# KiCad board input-output.Multi.kicad_pcb (continued)
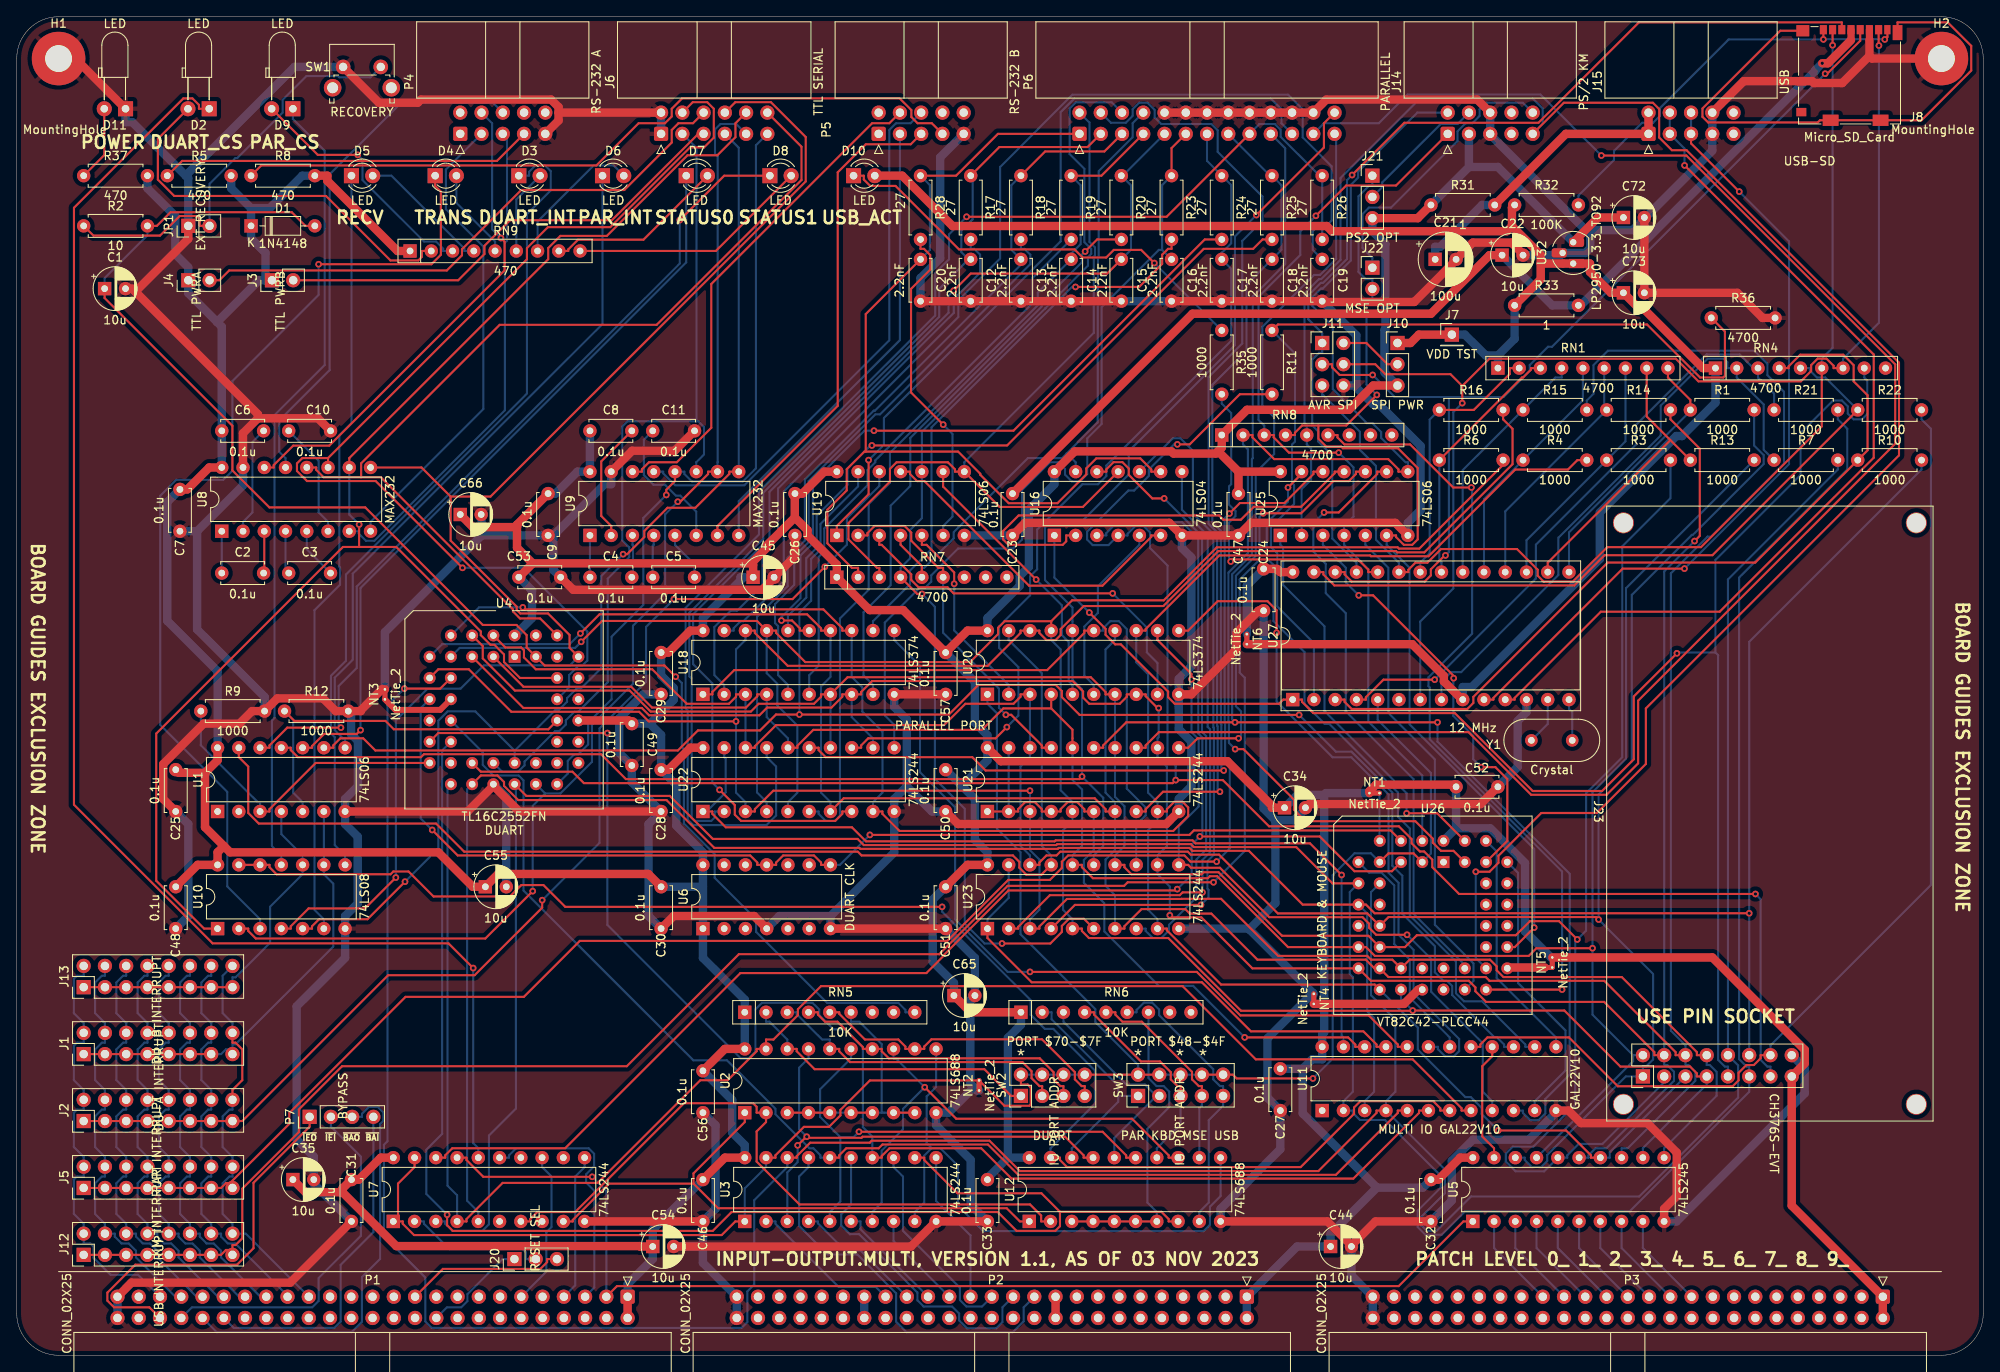
[diagram p0: board, top side]
## Routing (per net, layer and track width the routed paths; a pad name or vN(x,y) marks a point on that pad's centre or on a via; arc(x,y) is an arc through that point) (continued)
/parallel/PD6: length 133.7
  Top w0.25: U22.15 95.83,72.62 95.83,72.34 96.67,71.49 114.19,71.49 115.78,69.9 v1(144.23,69.9)
  Bottom w0.25: v1(144.23,69.9) 143.95,70.17 143.95,75.38 143.89,75.44 143.89,98.56 142.87,99.58 142.87,116.01 146.95,120.09 146.95,127.95 C18.1 151.13,132.13 151.13,139.87 R25.1 149.78,141 P6.15
/parallel/PD7: length 167
  Top w0.25: P6.17 137.41,136.09 v1(113.51,136.09)
  Bottom w0.25: C19.1 154.87,132.13 154.87,134.38 156,135.5 R26.1 155.69,141 151.04,145.66 151.04,146.49 150.35,147.18 148.5,147.18 P6.17 ; v1(113.51,136.09) 111.41,133.99 111.41,131.01 109.75,129.35 109.75,124.29 88.69,103.22 88.69,98.11 79.93,89.35 79.93,77.34 80.18,77.08 80.18,64.04 80.85,63.37 89.59,63.37 90.75,64.52 90.75,70.37 89.62,71.49 U22.17
/parallel/SELECT: length 86.9
  Top w0.25: U21.11 139.99,72.62 141.11,73.75 v1(146.01,73.75)
  Bottom w0.25: v1(146.01,73.75) 146.31,74.04 146.31,76.96 145.69,77.58 145.69,93.18 148.06,95.55 148.06,105.52 150.26,107.72 150.26,112.12 148.84,113.54 148.84,122.93 155.05,129.14 155.75,129.14 157.67,131.06 157.67,145.81 P6.25
/parallel/STATUS0: length 207.6
  Top w0.25: v1(127.3,69.17) 127,68.87 72.79,68.87 69.82,71.84 48.65,71.84 48.3,71.49 33.59,71.49 32.75,72.34 32.75,72.62 U1.11 ; v1(148.14,136.29) 156.21,144.37 156.21,147.27 P6.26
  Bottom w0.25: U23.15 128.7,59.75 129.84,60.88 129.84,66.64 v1(127.3,69.17) 127.3,79.62 126.16,80.76 U20.16 126.16,89.38 122.87,92.67 122.87,98.99 123.15,99.27 126.87,99.27 132.89,105.3 132.89,108.07 145.58,120.76 145.58,133.73 v1(148.14,136.29)
/parallel/STATUS1: length 138.3
  Top w0.25: U23.17 122.45,57.45 120.65,57.45 119.81,58.28 119.81,58.98 119.04,59.75 100.96,59.75 100.51,60.2 53.47,60.2 50.11,63.56 28.93,63.56 27.67,64.82 27.67,70.37 26.54,71.49 U1.13
  Bottom w0.25: U23.17 123.62,59.75 122.49,60.87 122.49,81.54 118.54,85.49 U20.19
/parallel/~{BUSY}: length 92.7
  Top w0.25: U19.1 98,99.13 101.8,102.92 v1(101.8,107)
  Bottom w0.25: P6.21 151.13,147.27 151.13,148.95 149.86,150.22 126.38,150.22 124.75,148.6 124.75,133.16 103.63,112.03 103.63,108.84 v1(101.8,107)
/parallel/~{INT_PAR}: length 142.5
  Top w0.25: v1(96.57,94.25) 92.71,90.39 v1(78.53,90.39) ; J2.1 J2.3 J2.5 J2.7 J2.9 J2.11 J2.13 J2.15 26.96,28 44.39,45.43 54.72,45.43 62.79,53.5 v1(62.79,54.4)
  Bottom w0.25: v1(78.53,90.39) 75.2,87.06 75.2,80.5 69.64,74.93 69.64,61.25 v1(62.79,54.4) ; v1(96.57,94.25) 99.21,96.89 99.21,100.06 103.08,103.93 U19.12
/parallel/~{LINEFEED}: length 98.6
  Top w0.25: U16.11 127.4,101.4 117.46,101.4 U19.8 112.11,105.62 112.11,105.9 111.27,106.75 105.14,106.75 104.35,105.95 104.35,104.43 99.39,99.48 99.39,97.53 102.8,94.13 103.08,94.13 RN7.3
  Bottom w0.25: U19.8 113.24,106.75 128.71,122.22 128.71,131.32 128.85,131.46 128.85,132.43 128.19,133.09 128.19,147.35 P6.2
/parallel/~{PDENBL}: length 84.7
  Top w0.25: U18.1 83.13,79 83.13,79.28 85.75,81.9 123.14,81.9 127.57,86.34 127.57,86.62 U20.15
  Bottom w0.25: U20.15 129.83,86.62 129.83,86.9 130.67,87.75 131.71,87.75 132.65,86.8 132.65,67.72 134.91,65.47 134.91,64.53 133.78,63.41 U23.13
/parallel/~{SEL}: length 77.7
  Top w0.25: U19.4 105.62,96.87 108.16,94.33 RN7.5
  Bottom w0.25: RN7.5 108.16,94.13 108.44,94.13 111.97,97.65 111.97,98.39 120.83,107.25 124.91,107.25 125.48,107.81 ; 125.48,107.81 129.18,111.51 129.18,127.19 129.21,127.21 129.21,131.18 129.3,131.27 129.3,141.55 133.35,145.6 133.35,147.27 P6.8 ; 125.48,107.81 126.54,106.75 U16.13
/parallel/~{STROBE}: length 118
  Top w0.25: P6.1 117.25,146 112.25,141 R28.1 ; 101.45,108.02 101.45,124.45 C20.1 ; 101.45,108.02 112.5,108.02 115.14,105.37 115.14,105.25 118.54,101.85 124.37,101.85 127.81,105.3 127.81,106.01 129.01,107.21 134.27,107.21 135.57,105.9 135.57,105.62 U16.9 ; 101.45,108.02 101.29,108.02 99.18,105.91 99.18,103.38 96.87,101.07 96.87,97.05 99.8,94.13 100.54,94.13 RN7.2
  Bottom w0.25: R28.1 109.13,139.87 109.13,132.13 C20.1
/USB-SD/RST: length 113.5
  Top w0.25: R36.1 204.13,122.37 204.13,117.07 203.93,116.87 201.16,116.87 194.82,123.21 150.71,123.21 R11.1
  Bottom w0.25: R11.1 152.75,119.75 152.75,109.21 152.4,108.86 152.4,104.27 152.64,104.03 152.64,101.76 149.87,98.99 149.87,96.62 150.63,95.87 150.63,89.51 155.01,85.12 U27.2
/USB-SD/SDCK: length 120.1
  Top w0.25: v1(162.03,117.18) 158.09,117.18 157.18,118.09 157.18,118.46 J11.3 ; J8.5 220.29,157.13 216.36,153.19 v1(216.11,153.19) ; U27.26 158.68,93.62 158.68,93.33 159.52,92.49 168.26,92.49 168.99,93.22 168.99,93.94 170.65,95.61 v1(170.73,95.61)
  Bottom w0.25: 171.14,114.54 164.67,114.54 v1(162.03,117.18) ; 171.14,114.54 177.67,114.54 180.81,117.68 180.81,118.37 182.99,120.55 183.47,120.55 v1(216.11,153.19) ; 171.14,114.54 171.14,96.01 v1(170.73,95.61)
/USB-SD/SDCS: length 135.7
  Top w0.25: RN4.6 215.7,111.03 201.27,96.6 190.07,96.6 185.95,92.48 182.46,92.48 181.76,93.18 181.76,93.9 179.28,96.37 170.21,96.37 168.58,94.74 167.14,94.74 166.3,93.9 166.3,93.62 165.18,93.62 ; J8.2 v1(217,156.59)
  Bottom w0.25: J11.5 156,114.74 156.15,114.74 160.51,110.38 160.51,108.22 162.43,106.3 162.43,97.49 165.18,94.74 165.18,93.62 ; RN4.6 215.7,119.13 217,120.42 v1(217,156.59)
/USB-SD/SDDI: length 120.3
  Top w0.25: v1(159.57,141.08) 165.82,147.32 181.85,147.32 193.85,159.33 218.09,159.33 J8.3
  Bottom w0.25: v1(159.57,141.08) 158.97,140.48 158.97,131.05 156.11,128.19 155.85,128.19 154.34,126.68 154.34,123.84 156,122.18 J11.1 156,119.82 155.63,119.82 154.81,119 154.81,111.15 155.52,110.44 155.52,109.24 157.21,107.55 157.21,97.63 160.09,94.74 U27.25
/USB-SD/SDDO: length 147.2
  Top w0.25: RN4.7 217.11,118 217.11,118.28 216.26,119.13 215.21,119.13 214.43,118.35 214.43,117.65 213.2,116.42 200.96,116.42 198.25,119.13 176,119.13 172.74,115.87 ; 172.74,115.87 171.33,117.27 163.53,117.27 162.35,118.46 J11.4 ; 172.74,115.87 v1(172.74,113.81) ; v1(222.53,156.55) 222.5,156.59 J8.7
  Bottom w0.25: U27.7 167.72,87.7 171.67,91.65 171.67,112.75 v1(172.74,113.81) ; v1(222.53,156.55) 222.53,123.42 218.24,119.13 RN4.7
/USB-SD/UD+: length 95.1
  Top w0.25: v1(199.29,94.03) 191.91,94.03 176.46,78.58 176.46,78.38 175.34,78.38 ; J15.5 200.08,144.86 v1(205.84,139.1)
  Bottom w0.25: J15.6 J15.5 ; v1(199.29,94.03) 211.79,106.53 211.79,133.15 v1(205.84,139.1)
/USB-SD/UD-: length 107.5
  Top w0.25: U27.11 179,78.38 179,78.58 189.3,88.88 203.5,88.88 221.91,107.29 221.91,119.63 v1(199.3,142.23)
  Bottom w0.25: v1(199.3,142.23) 199.3,144.24 J15.3 J15.4
/USB-SD/~{INT-USB}: length 206.2
  Top w0.25: v1(128.17,88.78) 130.11,86.83 130.11,86.12 131.26,84.98 131.94,84.98 137.59,79.33 137.59,78.66 138.38,77.87 150.85,77.87 151.35,78.38 U27.1 153.6,78.38 153.6,78.09 154.93,76.76 171.85,76.76 181.16,67.45 189.45,67.45 193.24,71.24 193.24,78.76 v1(198.39,83.91)
  Bottom w0.25: J23.9 204.49,34.51 204.12,34.51 203.31,35.31 203.31,83.68 202.99,84.01 ; v1(128.17,88.78) 124,92.95 U16.1 ; 202.99,84.01 198.49,84.01 v1(198.39,83.91) ; 202.99,84.01 202.99,95.07 213.17,105.25 213.17,110.25 217.05,114.13 218.11,114.13 218.81,113.43 218.81,112.57 219.5,111.87 220.52,111.87 221.14,112.49 221.14,116.52 220.78,116.87 RN4.8
A0: length 18.2
  Bottom w0.25: P2.35 102.64,8.18 98.21,8.18 90.67,15.72 90.67,16 U3.2
A1: length 15.6
  Bottom w0.25: U3.4 95.75,16 95.75,15.77 98.99,12.52 100.84,12.52 P2.33
A2: length 13.5
  Bottom w0.25: U3.6 100.83,16 100.83,15.07 P2.31
A3: length 11.8
  Bottom w0.25: P2.29 104.78,13.66 U3.8
A4: length 18.3
  Bottom w0.25: U3.11 109.86,18.44 113.98,14.32 P2.27
A5: length 24.9
  Bottom w0.25: U3.13 104.78,22.49 105.91,21.37 105.91,14.88 112.71,8.07 112.71,6.61 113.49,5.82 115.34,5.82 P2.25
A6: length 37.8
  Bottom w0.25: U3.15 99.7,18.02 98.52,16.85 98.52,15.51 99.56,14.47 100.66,14.47 107.63,7.5 107.63,6.57 108.37,5.82 111.78,5.82 112.62,4.99 112.62,4.16 113.55,3.23 117.06,3.23 117.79,3.96 117.79,5.73 P2.23
A7: length 46.7
  Bottom w0.25: U3.17 94.62,22.49 93.49,21.37 93.49,15.46 96.91,12.04 100.45,12.04 105.09,7.41 105.09,4 106.34,2.75 119.02,2.75 120.33,4.06 120.33,5.73 P2.21
ACK: length 175.6
  Top w0.25: v1(169.78,75.66) v1(145.58,75.66) 132.58,75.66 129.83,72.9 129.83,72.62 U21.15
  Bottom w0.25: v1(169.78,75.66) 169.78,73.35 185.58,57.55 185.58,33.55 182.67,30.64 182.67,28.91 181.86,28.1 180.86,28.1 179.99,28.97 179.99,29.25 U11.10 ; P6.19 151.58,144.28 151.58,130.44 147.7,126.56 147.7,107.23 147.6,107.13 147.6,95.73 145.24,93.37 145.24,76 145.58,75.66 v1(145.58,75.66)
bA0: length 396.6
  Top w0.25: U3.18 93.21,23.62 93.21,23.8 94.82,25.41 101.93,25.41 102.17,25.65 116.24,25.65 119.87,22.02 155.54,22.02 162.49,28.97 162.49,29.25 U11.4 ; U4.10 50.61,79.69 v1(46.32,79.69)
  Bottom w0.25: U3.18 92.08,22.49 88.13,18.54 88.13,8.45 87.31,7.63 87.31,3.96 86.62,3.27 49.6,3.27 48.82,4.05 48.82,9.3 43.87,14.24 43.87,25.15 44.31,25.58 44.31,77.67 v1(46.32,79.69) ; U26.10 161.84,55.37 161.84,43.04 164.75,40.13 164.75,31.5 163.62,30.38 U11.4 170.66,22.21 170.66,19.36 167.86,16.56 167.86,15.52 168.52,14.86 169.66,14.86 173.78,18.98 193.88,18.98 205.71,30.81 205.71,34.65 J23.10 204.49,92.74 217.62,105.87 R7.2
bA1: length 150.7
  Top w0.25: U3.16 98.29,23.62 98.29,23.9 99.13,24.75 103.01,24.75 103.46,25.2 116.06,25.2 119.68,21.57 157.63,21.57 165.03,28.97 165.03,29.25 U11.5
  Bottom w0.25: U3.16 96.03,23.62 96.03,23.9 95.19,24.75 94.73,24.75 90.67,28.81 90.67,29.47 84.87,35.26 80.85,35.26 60.56,55.55 60.56,68.71 59.97,69.3 56.96,69.3 55.69,70.58 55.69,72.07 U4.14
bA2: length 175.8
  Top w0.25: v1(70.58,74.38) 50.38,74.38 U4.15 ; U11.6 167.57,29.25 167.57,28.97 159.72,21.12 118.88,21.12 115.25,24.75 104.3,24.75 103.37,23.81 103.37,23.62 U3.14
  Bottom w0.25: v1(70.58,74.38) 70.58,51.44 86.53,35.49 87.47,35.49 88.27,36.29 88.27,41.34 89.05,42.13 95.1,42.13 95.89,41.33 95.89,40.67 97.59,38.97 98.95,38.97 101.11,36.81 101.11,27.28 102.24,26.15 U3.14
bA3: length 172.3
  Top w0.25: 124.67,17.15 122.45,19.36 112.42,19.36 108.45,23.34 108.45,23.62 U3.12 ; 124.67,17.15 124.67,15.43 124.11,14.87 119.47,14.87 117.22,17.13 85.43,17.13 83.17,14.87 52.11,14.87 51.43,15.54 v1(51.43,16.8) ; 124.67,17.15 136.79,17.15 137.65,16.28 137.65,16 U12.8
  Bottom w0.25: v1(51.43,16.8) 48.95,19.28 48.95,24.57 50.84,26.46 50.84,72.3 U4.16
bA4: length 71.2
  Bottom w0.25: 109.34,24.76 108.45,23.86 108.45,18.25 107.32,17.13 U3.9 ; 109.34,24.76 108.73,25.37 108.73,30.94 109.86,32.07 U2.11 ; 109.34,24.76 110.35,24.76 112.48,22.64 112.48,17.86 115.5,14.84 141.83,14.84 142.59,15.6 142.59,17.76 143.86,19.03 U12.11
bA5: length 58.8
  Top w0.25: v1(108.5,32.04) 112.27,28.27 133.28,28.27 137.65,23.9 137.65,23.62 U12.13
  Bottom w0.25: U3.7 102.24,17.13 103.37,18.25 103.37,24.47 105.91,27.01 105.91,29.44 v1(108.5,32.04) 105.05,35.49 104.78,35.49 U2.13
bA6: length 60.7
  Top w0.25: U12.15 132.57,23.62 132.57,23.9 129.76,26.72 v1(100.65,26.72)
  Bottom w0.25: U3.5 97.16,17.13 98.42,18.38 98.42,26.07 ; 98.42,26.07 96,28.49 96,31.79 99.7,35.49 U2.15 ; 98.42,26.07 100,26.07 v1(100.65,26.72)
bA7: length 58
  Top w0.25: U12.17 127.49,23.62 127.49,23.9 125.27,26.12 101.08,26.12 100.95,25.99 94.54,25.99 v1(94.41,26.13) 94.35,26.13 v1(93.32,25.09)
  Bottom w0.25: v1(93.32,25.09) 93.32,23.1 92.08,21.86 U3.3 ; U2.17 94.62,35.49 93.49,34.37 93.49,27.04 v1(94.41,26.13)
bD0: length 284.8
  Top w0.25: U20.3 119.95,79 119.95,78.72 119.11,77.87 113.36,77.87 110.81,75.32 90.73,75.32 88.21,72.8 88.21,72.62 U22.18 ; U4.2 58.39,84.61 60.28,84.61 60.61,84.28 60.61,83.42 62.03,82 75.94,82 80.06,77.87 85.11,77.87 85.95,78.72 85.95,79 U18.3 ; U23.18 122.21,58.62 122.21,58.9 123.05,59.75 124.25,59.75 124.7,60.2 139.95,60.2 140.3,59.84 143.67,59.84 150.7,52.82 161.39,52.82 U26.14 163.93,52.38 188.73,52.38 v1(189.03,52.09)
  Bottom w0.25: U20.3 U21.18 121.08,71.49 119.95,70.37 119.95,60.87 121.08,59.75 U23.18 ; U22.18 U18.3 ; U5.18 180.21,23.62 180.21,23.34 181.05,22.49 182.16,22.49 182.89,23.22 182.89,23.95 192.27,33.33 J23.1 194.33,34.51 194.7,34.51 195.54,35.35 195.54,45.57 v1(189.03,52.09) 189.03,67.03 193,71 193,90.89 200.18,98.07 200.3,98.07 208.76,106.53 208.76,107.6 207.62,108.74 R1.2
bD1: length 266.1
  Top w0.25: U18.4 88.49,79 88.49,78.77 87.15,77.42 75.91,77.42 73.43,79.91 60.55,79.91 U4.3 ; 123.62,77.32 U20.4 ; 123.62,77.32 117.9,77.32 115.33,74.76 95.19,74.76 93.29,72.85 93.29,72.62 U22.16 ; 123.62,77.32 126.16,74.78 U21.16 ; U23.16 127.29,58.62 127.29,58.34 128.6,57.03 142.34,57.03 142.57,57.26 143.44,57.26 151.92,48.79 U26.15 161.24,48.79 162.29,47.74 180.68,47.74 181.6,48.66 v1(188.3,48.66)
  Bottom w0.25: U21.16 126.16,68.77 127.31,67.62 127.31,60.89 126.16,59.75 U23.16 ; J23.2 193.15,35.87 ; 193.15,35.87 193.15,35.15 U5.17 ; 193.15,35.87 188.3,40.72 v1(188.3,48.66) 188.3,67.3 192.31,71.31 192.31,91.69 R13.2 ; U18.4 89.62,76.29 92.16,73.75 U22.16
bD2: length 292
  Top w0.25: U23.14 132.37,58.62 132.37,58.34 133.21,57.49 141.58,57.49 141.83,57.74 143.6,57.74 151.2,50.14 161.53,50.14 U26.16 165.89,48.79 167.31,50.21 179.14,50.21 180.82,51.89 184.3,51.89 v1(186.49,49.71) ; U4.4 55.69,84.77 55.69,83.29 59.53,79.46 73.24,79.46 75.75,76.95 87.73,76.95 88.66,77.87 95.27,77.87 96.11,78.72 96.11,79 U18.7 99.29,81.05 128.35,81.05 130.11,79.28 130.11,79 U20.7
  Bottom w0.25: U23.14 131.24,59.75 132.37,60.88 132.37,65.63 131.24,66.76 U21.14 U20.7 ; J23.3 196.87,32.64 189.5,25.27 186.65,25.27 185.29,23.9 185.29,23.62 U5.16 182.53,21.99 179.11,21.99 177.95,23.16 177.95,24.1 178.79,24.94 181.23,24.94 186.24,29.95 186.24,49.46 v1(186.49,49.71) 187.54,50.76 187.54,67.17 191.86,71.5 191.86,96.69 197.62,102.45 R3.2 ; U18.7 U22.14
bD3: length 289.7
  Top w0.25: v1(137.79,52.59) 138.04,52.34 141.57,52.34 147.66,46.25 U26.17 161.83,44.76 173.52,44.76 174.31,43.97 174.31,43.51 175.58,42.24 189.69,42.24 195.69,36.24 195.69,35.87 J23.4 ; U4.5 60.55,77.37 74.69,77.37 75.57,76.5 88.75,76.5 89.67,77.42 97.36,77.42 98.65,78.72 98.65,79 U18.8 100.91,79 100.91,79.28 102.22,80.59 126.18,80.59 127.43,79.34 127.43,78.61 128.16,77.87 131.81,77.87 132.65,78.72 132.65,79 U20.8 134.91,79 134.91,78.78 136.33,77.36 v1(136.46,77.36) ; R14.2 197.62,111.87 201.13,108.37 201.13,97.95 v1(200.5,97.32)
  Bottom w0.25: v1(136.46,77.36) 136.46,73.89 136.32,73.75 U21.12 136.32,71.49 137.45,70.37 137.45,60.87 136.32,59.75 U23.12 136.32,57.49 137.79,56.02 v1(137.79,52.59) ; U18.8 99.78,76.29 102.32,73.75 U22.12 ; U5.15 187.83,23.62 187.83,23.9 188.67,24.75 189.97,24.75 198.05,32.82 198.05,33.89 197.24,34.69 196.87,34.69 J23.4 196.87,93.69 v1(200.5,97.32)
bD4: length 300.5
  Top w0.25: U22.9 103.45,65 103.45,64.72 105.49,62.67 138.19,62.67 139.99,64.46 139.99,65.48 139.31,66.16 138.32,66.16 137.45,65.28 137.45,65 U21.9 ; v1(177.03,26.87) 185.15,26.87 188.11,23.9 188.11,23.62 U5.14 ; U18.13 98.65,86.62 98.65,86.9 96.4,89.16 60.71,89.16 v1(60.47,89.4) ; R4.2 186.49,107 185.37,105.87 179.07,105.87 168.71,95.51 161.83,95.51 161.74,95.61 143.71,95.61 134.91,86.81 134.91,86.62 U20.13 ; U23.9 137.45,51 137.45,50.79 143.92,44.31 162.28,44.31 U26.18
  Bottom w0.25: v1(177.03,26.87) 175.05,28.85 175.05,29.58 173.76,30.86 173.11,30.86 167.43,36.54 167.43,39.16 U26.18 ; J23.5 190.37,24.29 190.37,23.62 U5.14 ; U4.6 55.24,89.4 v1(60.47,89.4) ; U18.13 99.78,81.09 101.05,79.82 101.05,76.94 103.45,74.54 103.45,67.26 102.32,66.13 U22.9 ; U20.13 133.78,82.84 135.19,81.42 135.19,67.25 136.32,66.13 U21.9 136.32,63.87 135.19,62.75 135.19,53.25 136.32,52.13 U23.9
bD5: length 358.1
  Top w0.25: v1(67.36,86.28) 69.64,88.57 94.45,88.57 96.11,86.9 96.11,86.62 U18.14 ; J23.6 198.23,35.87 198.23,36.24 189.71,44.76 176,44.76 175.54,45.21 163.92,45.21 U26.19 162.24,46.25 161.21,47.29 148.26,47.29 142.76,52.79 140.18,52.79 139.64,53.33 134.42,53.33 132.37,51.28 132.37,51 U23.7 ; U21.7 130.11,65 130.11,65.28 128.82,66.58 98.82,66.58 U22.7
  Bottom w0.25: R15.2 187.62,114.13 188.43,114.94 188.43,118.36 190.15,120.08 207.64,120.08 209.21,118.51 209.21,117.16 211.19,115.18 211.19,106.56 202.48,97.85 202.05,97.85 197.67,93.46 197.67,38.79 199.41,37.05 J23.6 199.41,34.69 199.78,34.69 200.59,33.88 200.59,32.81 192.52,24.75 191.78,24.75 U5.13 ; U22.7 97.24,66.13 96.11,67.26 96.11,79.95 97.24,81.08 U18.14 ; U20.14 131.24,85.49 130.11,84.37 130.11,67.25 131.24,66.13 U21.7 131.24,60.38 130.11,59.26 130.11,56.11 131.24,54.98 U23.7 ; U4.7 50.84,85 66.08,85 v1(67.36,86.28)
bD6: length 302.5
  Top w0.25: v1(67.45,85.28) 69.94,87.77 88.47,87.77 U18.17 90.75,86.62 90.75,86.34 94.23,82.86 113.92,82.86 117.27,86.21 117.27,86.96 118.06,87.75 123.62,87.75 ; U20.17 123.62,87.75 ; 123.62,87.75 126.12,90.24 137.06,90.24 143.4,96.58 165.02,96.58 165.17,96.42 167.61,96.42 177.62,106.44 R6.2 ; U23.5 127.29,51 127.29,50.72 128.13,49.87 137.61,49.87 146.31,41.17 166.79,41.17 v1(166.82,41.21) 184.94,41.21 191.64,34.51 199.97,34.51 200.77,33.7 200.77,33.33 J23.7
  Bottom w0.25: U18.17 89.62,81.54 90.89,80.27 90.89,77.68 93.29,75.28 93.29,67.25 92.16,66.13 U22.5 ; U20.17 123.62,85.49 124.75,84.37 124.75,67.54 126.16,66.13 U21.5 126.16,63.87 125.03,62.75 125.03,53.25 126.16,52.13 U23.5 ; U26.20 165.42,42.6 v1(166.82,41.21) ; J23.7 201.95,32.15 201.73,32.15 194.32,24.75 U5.12 ; v1(67.45,85.28) 66.72,84.55 52.93,84.55 U4.8
bD7: length 334.3
  Top w0.25: v1(85.95,75.77) 75.52,75.77 74.37,76.92 59.1,76.92 54.02,82 50.38,82 U4.9 ; U23.3 122.21,51 122.21,51.25 125.5,54.55 139.17,54.55 139.18,54.56 143.92,54.56 150.75,47.74 161.39,47.74 161.84,47.29 164.38,47.29 U26.21 166.46,47.29 176.06,47.29 176.85,46.49 176.85,46.02 177.66,45.21 191.8,45.21 200.77,36.24 200.77,35.87 J23.8 ; v1(121.08,67.48) 90.41,67.48 88.21,65.28 88.21,65 U22.3 ; U18.18 88.21,86.62 88.21,86.34 92.14,82.41 116.02,82.41 119.95,86.34 119.95,86.62 U20.18 122.21,86.62 122.21,86.34 123.05,85.49 124.15,85.49 124.75,86.1 124.75,86.8 127.51,89.56 137.02,89.56 143.59,96.13 164.83,96.13 164.99,95.97 168.21,95.97 178.75,106.51 178.75,110.75 177.62,111.87 R16.2
  Bottom w0.25: J23.8 201.95,34.69 202.32,34.69 203.14,33.88 203.14,31.02 196.86,24.75 U5.11 ; U22.3 87.08,66.13 85.95,67.25 v1(85.95,75.77) 85.95,84.37 87.08,85.49 U18.18 ; U23.3 121.08,52.13 122.21,53.26 122.21,59.25 121.08,60.38 U21.3 121.08,66.13 v1(121.08,67.48)
bRESET: length 254
  Top w0.25: v1(138.7,108.89) 140.17,108.89 146.17,114.88 R11.2 ; U4.21 55.46,69.76 66.41,69.76 67.77,68.39 138.14,68.39 v1(138.5,68.75) 144.13,68.75 149.65,63.23 165.16,63.23 166.69,61.7 166.69,61.21 167.68,60.22 168.18,60.22 169.16,59.25 169.16,58.35 172.36,55.14 v1(207.77,55.14)
  Bottom w0.25: J23.13 209.57,34.51 209.2,34.51 208.39,35.31 208.39,54.52 v1(207.77,55.14) ; v1(138.5,68.75) 138.5,70.45 137.52,71.42 137.52,94.39 135.43,96.48 135.43,98.36 134.66,99.13 133.68,99.13 132.75,98.19 132.75,98 U16.4 130.47,96.85 128.57,96.85 127.91,97.52 127.91,98.43 132.84,103.36 133.53,103.36 135.29,105.12 135.29,105.87 138.3,108.89 v1(138.7,108.89)
CLK_DUART: length 137.8
  Top w0.25: U6.8 96.11,58.62 96.11,58.9 95.27,59.75 91.59,59.75 90.75,58.9 90.75,58.62 U6.11 88.49,58.62 88.49,58.9 87.65,59.75 52.7,59.75 v1(49.65,62.79) ; v1(101.95,62.2) 140.14,62.2 140.67,62.73 164.18,62.73 U26.4
  Bottom w0.25: U4.11 48.27,77.35 48.27,64.17 v1(49.65,62.79) ; v1(101.95,62.2) 98.37,58.62 U6.8
D0: length 11.4
  Bottom w0.25: U5.2 176.54,12.82 P3.33
D1: length 11.4
  Bottom w0.25: P3.31 179.08,12.82 U5.3
D2: length 11.4
  Bottom w0.25: U5.4 181.62,12.82 P3.29
D3: length 11.4
  Bottom w0.25: U5.5 184.16,12.82 P3.27
D4: length 11.4
  Bottom w0.25: U5.6 186.7,12.82 P3.25
D5: length 11.4
  Bottom w0.25: P3.23 189.24,12.82 U5.7
D6: length 11.4
  Bottom w0.25: P3.21 191.78,12.82 U5.8
D7: length 11.4
  Bottom w0.25: U5.9 194.32,12.82 P3.19
INT_KM: length 86
  Top w0.25: v1(151.92,103.73) 153.54,105.35 U25.13
  Bottom w0.25: v1(151.92,103.73) 151.92,102.04 149.38,99.51 149.38,95.28 150.18,94.49 150.18,87.77 153.89,84.05 153.89,77.88 156.3,75.47 156.85,75.47 165.06,67.26 165.06,64.37 166.47,62.96 166.47,52.58 171.99,47.07 171.99,43.27 172.94,42.32 175.11,42.32 180.27,37.15 180.27,36.87 U11.14
INT_PAR: length 207.3
  Top w0.25: v1(153.25,76.54) 127.02,76.54 124.89,78.67 124.89,79.4 124.16,80.13 114.92,80.13 111.39,76.59 v1(93.53,76.59) 90.73,76.59 88.83,74.69 81.41,74.69 79.01,72.3 42.86,72.3 41.4,73.75 38.67,73.75 37.83,72.9 37.83,72.62 U1.9
  Bottom w0.25: U11.15 177.73,36.87 177.73,37.15 176.89,38 176.59,38 171.54,43.05 171.54,44.14 170.93,44.75 170.5,44.75 169.46,45.78 169.46,48.9 165.58,52.78 165.58,57.32 164.38,58.52 164.38,67.27 159.5,72.15 157.63,72.15 v1(153.25,76.54) ; v1(93.53,76.59) 93.53,88.8 94.93,90.2 94.93,95.19 96.04,96.31 96.04,99.36 100.54,103.86 U19.13
ONE: length 5.7
  Bottom w0.25: NT1.2 162.85,61.52 U26.6
P24-OB: length 34.1
  Bottom w0.25: U26.39 179.41,57.66 179.41,44.49 185.07,38.83 185.07,34.05 181.4,30.38 U11.11
P25-BF: length 28.1
  Bottom w0.25: U26.40 176.85,60.22 176.85,45.09 183.94,38 U11.13
PARINT: length 87.3
  Top w0.25: U23.11 139.99,58.62 140.33,58.27 143.78,58.27 149.68,52.37 160.83,52.37 161.61,51.58 161.61,51.1 162.45,50.26 v1(166.14,50.26) ; U20.12 136.32,85.49 140.38,81.43 v1(140.38,80.8)
  Bottom w0.25: v1(140.38,80.8) 140.38,74.49 141.23,73.64 141.23,65.6 138.86,63.22 U23.11 ; v1(166.14,50.26) 169.01,47.39 169.01,43.47 175.19,37.29 175.19,31.5 176.32,30.38 U11.9
ZERO: length 251.3
  Top w0.25: SW2.2 120,32.36 120.81,32.36 121.18,32 121.18,29.98 121.02,29.82 118.03,29.82 NT2.2 101.95,32.85 98.43,29.33 98.43,28.67 97.06,27.3 94.07,27.3 90.67,23.9 90.67,23.62 U3.19 ; U26.3 166.92,59.99 163.92,59.99 U26.8 ; v1(154.89,33.09) 145.78,33.09 145.34,33.54 SW3.10 SW3.8 ; 45.56,16 45.56,20.52 47.54,22.49 U7.19 ; 45.56,16 U7.1 ; 45.56,16 46.13,16 46.13,15.72 47.48,14.37 84.24,14.37 85.87,16 U3.1 ; SW3.4 SW3.2 SW2.8
  Bottom w0.25: v1(154.89,33.09) 157.26,35.46 157.26,57.39 159.87,60.01 161.82,60.01 U26.8 ; U20.1 116,77.87 117.13,76.75 117.13,62.96 119.95,60.13 119.95,50.31 128.89,41.38 128.89,39.83 134,34.72 SW3.2 ; U27.5 162.63,75.96 169,69.6 169,59.99 U26.3 ; U3.1 87,19.95 89.54,22.49 U3.19 ; SW2.8 SW2.6 SW2.4 SW2.2 ; SW3.4 SW3.6 SW3.8
~{BAI}: length 40.9
  Bottom w0.25: P1.40 25.93,3.27 37.96,3.27 38.71,4.03 38.71,10.81 42.62,14.72 P7.4
~{BAO}: length 51.1
  Bottom w0.25: P1.42 23.9,2.76 40.01,2.76 41.25,4 41.25,9.34 43.42,11.51 43.42,27.64 43.81,28.03 43.81,29.02 43.15,29.68 42.07,29.68 41.26,28.87 41.26,28.5 P7.3
~{bIORQ}: length 70.5
  Top w0.25: 80.87,20.52 70.78,20.52 66.45,16.18 66.45,16 U7.9 ; 80.87,20.52 80.87,21.75 87,27.87 U2.1 ; 80.87,20.52 83.81,17.58 118.3,17.58 119.87,16 U12.1
~{bM1}: length 81
  Top w0.25: U7.7 61.37,16 61.37,16.28 62.21,17.13 66.73,17.13 79.73,30.13 87.99,30.13 88.41,29.7 88.41,29 U2.2 89.54,27.87 88.41,26.75 88.41,23.15 93.54,18.03 121.09,18.03 122.41,16.7 122.41,16 U12.2
~{bRD}: length 352.7
  Top w0.25: U26.9 157.23,56.41 152.9,60.74 140.67,60.74 140.32,61.1 124.33,61.1 124.22,60.98 101.22,60.98 100.48,61.72 83.18,61.72 78.04,66.86 60.9,66.86 U4.24
  Bottom w0.25: U4.24 59.66,68.1 59.66,29.49 56.43,26.26 56.43,15.66 55.64,14.87 52.05,14.87 51.21,15.72 51.21,16 U7.3 ; R21.2 217.62,111.87 218.75,110.75 218.75,105.88 205.82,92.96 205.82,35.4 206.72,34.51 207.03,34.51 J23.11 207.03,31.49 192.77,17.23 173.1,17.23 170.28,14.41 168.33,14.41 167.41,15.33 167.41,17.28 170.17,20.04 170.17,21.46 163.5,28.12 160.51,28.12 159.67,28.97 159.67,29.25 U11.2 158.54,30.38 159.67,31.5 159.67,45.21 159.3,45.58 159.3,55.37 U26.9